# KiCad board CawDrive_panel.kicad_pcb (continued)
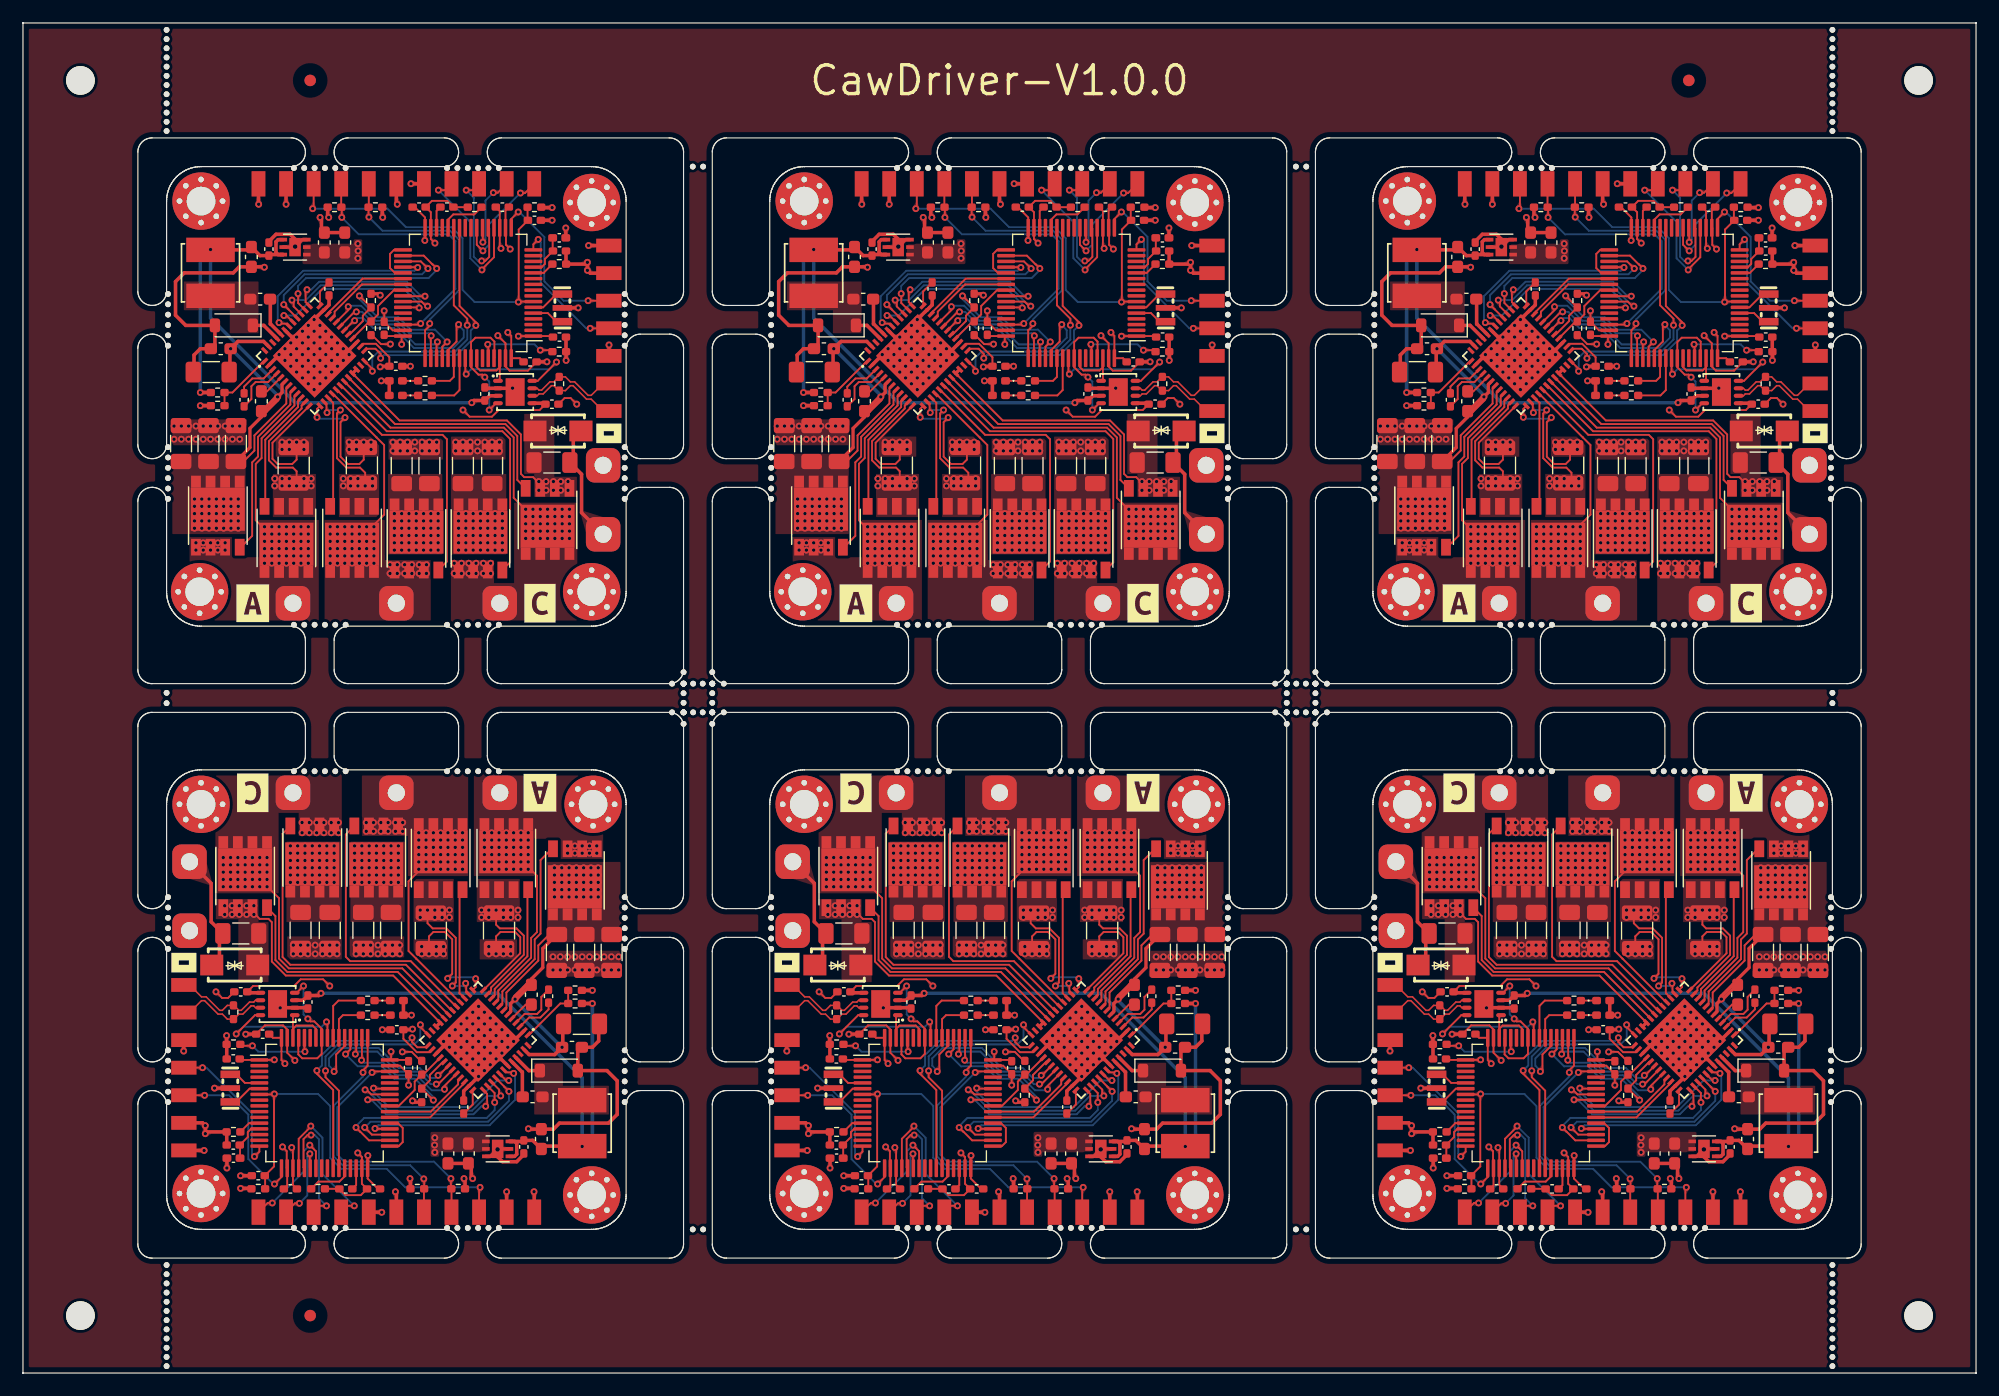
[diagram p0: board, top side]
## Nets (continued)
Board_3-/ADC1_IN8: U1.26 U5#5.25
Board_3-/ADC1_IN9: U1.27 U5#5.24
Board_3-/CAN_N: J4#2.7 R8#2.1 U3#5.6
Board_3-/CAN_P: J4#2.6 R8#2.2 U3#5.7
Board_3-/CAN_RX: U1.57 U1.61 U3#5.4
Board_3-/CAN_STB: U1.56 U3#5.8
Board_3-/CAN_TX: U1.58 U1.62 U3#5.1
Board_3-/DRV8323RSRGZR/CB: C15#5.1 U5#5.44
Board_3-/DRV8323RSRGZR/FB: R13#4.2 R14#6.1 U5#5.1
Board_3-/DRV8323RSRGZR/GHA: Q7#6.4 U5#5.8
Board_3-/DRV8323RSRGZR/GHB: Q9.4 U5#5.17
Board_3-/DRV8323RSRGZR/GHC: Q11#5.4 U5#5.18
Board_3-/DRV8323RSRGZR/GLA: Q8#5.4 U5#5.10
Board_3-/DRV8323RSRGZR/GLB: Q10#4.4 U5#5.15
Board_3-/DRV8323RSRGZR/GLC: Q12#3.4 U5#5.20
Board_3-/DRV8323RSRGZR/PHASA: H5#5.1 Q7#6.1 Q7#6.2 Q7#6.3 Q8#5.5 Q8#5.6 Q8#5.7 Q8#5.8 Q8#5.9 U5#5.9
Board_3-/DRV8323RSRGZR/PHASB: H6#5.1 Q9.1 Q9.2 Q9.3 Q10#4.5 Q10#4.6 Q10#4.7 Q10#4.8 Q10#4.9 U5#5.16
Board_3-/DRV8323RSRGZR/PHASC: H7#6.1 Q11#5.1 Q11#5.2 Q11#5.3 Q12#3.5 Q12#3.6 Q12#3.7 Q12#3.8 Q12#3.9 U5#5.19
Board_3-/DRV8323RSRGZR/SPA: Q8#5.1 Q8#5.2 Q8#5.3 R18#4.1 U5#5.11
Board_3-/DRV8323RSRGZR/SPB: Q10#4.1 Q10#4.2 Q10#4.3 R19.1 U5#5.14
Board_3-/DRV8323RSRGZR/SW: C15#5.2 D3.1 L2#3.1 U5#5.45
Board_3-/DRV_CAL: U1.38 U5#5.34
Board_3-/DRV_ENABLE: U1.39 U5#5.33
Board_3-/DRV_FAULT: R17#4.2 U1.40 U5#5.28
Board_3-/DRV_STA: R11#3.2 U1.55
Board_3-/HSE_IN: U1.5 X1#4.1
Board_3-/HSE_OUT: U1.6 X1#4.3
Board_3-/MCU_STA: R9#5.2 U1.54
Board_3-/RESET: C14#6.1 J1#5.3 R10#6.2 U1.7
Board_3-/SPI1_MISO: J1#5.10 U1.22
Board_3-/SPI1_MOSI: J1#5.11 U1.23
Board_3-/SPI1_NSS: J1#5.8 U1.20
Board_3-/SPI1_SCK: J1#5.9 U1.21
Board_3-/SPI3_MISO: R16#4.2 U1.52 U5#5.29
Board_3-/SPI3_MOSI: U1.53 U5#5.30
Board_3-/SPI3_NSS: U1.50 U5#5.32
Board_3-/SPI3_SCK: U1.51 U5#5.31
Board_3-/SWCLK: J1#5.5 R6#4.1 U1.49
Board_3-/SWDIO: J1#5.4 R5#2.1 U1.46
Board_3-/TIM1_BKIN: U1.33 U1.37
Board_3-/TIM1_PWM_CH1: U1.41 U5#5.37
Board_3-/TIM1_PWM_CH1N: U1.34 U5#5.38
Board_3-/TIM1_PWM_CH2: U1.42 U5#5.39
Board_3-/TIM1_PWM_CH2N: U1.35 U5#5.40
Board_3-/TIM1_PWM_CH3: U1.43 U5#5.41
Board_3-/TIM1_PWM_CH3N: U1.36 U5#5.42
Board_3-/USART2_RX: J4#2.3 U1.17
Board_3-/USART2_TX: J4#2.4 U1.16
Board_3-GND: C1#4.2 C2#3.2 C3#5.2 C4#2.2 C5#6.2 C6#6.2 C7#6.2 C8#4.2 C9#2.1 C12#6.1 C14#6.2 C16#5.2 C20#4.2 C21#5.2 C22.2 C23#6.2 C24#6.2 C25.2 C26#3.2 C29#3.2 C30#4.2 C31#2.2 C32#5.2 C33#2.2 C34#3.2 C35#5.2 D3.2 H8#5.1 J1#5.2 J1#5.7 J4#2.2 J4#2.5 Q12#3.1 Q12#3.2 Q12#3.3 R1#4.1 R2#6.2 R3#5.2 R6#4.2 R14#6.2 R18#4.2 R19.2 TV1.2 U1.18 U1.31 U1.47 U1.63 U2#2.3 U2#2.5 U2#2.7 U3#5.2 U3#5.9 U5#5.2 U5#5.12 U5#5.13 U5#5.21 U5#5.22 U5#5.27 U5#5.35 U5#5.43 U5#5.49 X1#4.2
Board_3-Net-(D1-K): D1#3.1 R9#5.1
Board_3-Net-(D2-K): D2#3.1 R11#3.1
Board_3-Net-(U1-BOOT0): R1#4.2 U1.60
Board_3-Net-(U1-PB2): R3#5.1 U1.28
Board_3-Net-(U1-VCAP_1): C1#4.1 U1.30
Board_3-Net-(U1-VSSA): R2#6.1 U1.12
Board_3-Net-(U5-CPH): C27#2.2 U5#5.4
Board_3-Net-(U5-CPL): C27#2.1 U5#5.3
Board_3-Net-(U5-DVDD): C31#2.1 U5#5.36
Board_3-Net-(U5-VCP): C28.2 U5#5.5
Board_3-unconnected-(H1-Pad1): H1#2.1
Board_3-unconnected-(H2-Pad1): H2#2.1
Board_3-unconnected-(H3-Pad1): H3#3.1
Board_3-unconnected-(H4-Pad1): H4#2.1
Board_3-unconnected-(U1-PA0-Pad14): U1.14
Board_3-unconnected-(U1-PA1-Pad15): U1.15
Board_3-unconnected-(U1-PA11-Pad44): U1.44
Board_3-unconnected-(U1-PA12-Pad45): U1.45
Board_3-unconnected-(U1-PB7-Pad59): U1.59
Board_3-unconnected-(U1-PB10-Pad29): U1.29
Board_3-unconnected-(U1-PC0-Pad8): U1.8
Board_3-unconnected-(U1-PC1-Pad9): U1.9
Board_3-unconnected-(U1-PC2-Pad10): U1.10
Board_3-unconnected-(U1-PC3-Pad11): U1.11
Board_3-unconnected-(U1-PC4-Pad24): U1.24
Board_3-unconnected-(U1-PC5-Pad25): U1.25
Board_3-unconnected-(U1-PC13-Pad2): U1.2
Board_3-unconnected-(U1-PC14-Pad3): U1.3
Board_3-unconnected-(U1-PC15-Pad4): U1.4
Board_3-unconnected-(U5-NC-Pad46): U5#5.46
Board_3-unconnected-(U5-nSHDN-Pad48): U5#5.48
Board_3-unconnected-(U5-SOC-Pad23): U5#5.23
Board_4-+3.3V: C2#6.1 C3#4.1 C4#6.1 C5.1 C6#3.1 C9#3.2 C32#4.1 C34#5.1 C35.1 D1#4.2 D2#4.2 J1#3.1 J1#3.6 J4#4.1 L1#4.1 R5.2 R10#5.1 R16#2.1 R17#2.1 U1#6.1 U1#6.19 U1#6.32 U1#6.48 U1#6.64 U2.1 U2.2 U3#6.5 U5.26
Board_4-+3.3VA: C8#2.1 L1#4.2 U1#6.13
Board_4-+5V: C7#2.1 C12#4.2 C16#3.1 L2#5.2 R13.1 U2.4 U2.6 U3#6.3
Board_4-+36V: C20#6.1 C21#2.1 C22#4.1 C23.1 C24#4.1 C25#5.1 C26#4.1 C28#4.1 C29.1 C30#3.1 C33#4.1 H9#3.1 Q7#4.5 Q7#4.6 Q7#4.7 Q7#4.8 Q7#4.9 Q9#2.5 Q9#2.6 Q9#2.7 Q9#2.8 Q9#2.9 Q11#3.5 Q11#3.6 Q11#3.7 Q11#3.8 Q11#3.9 TV1#2.1 U5.6 U5.7 U5.47
Board_4-/ADC1_IN8: U1#6.26 U5.25
Board_4-/ADC1_IN9: U1#6.27 U5.24
Board_4-/CAN_N: J4#4.7 R8#6.1 U3#6.6
Board_4-/CAN_P: J4#4.6 R8#6.2 U3#6.7
Board_4-/CAN_RX: U1#6.57 U1#6.61 U3#6.4
Board_4-/CAN_STB: U1#6.56 U3#6.8
Board_4-/CAN_TX: U1#6.58 U1#6.62 U3#6.1
Board_4-/DRV8323RSRGZR/CB: C15.1 U5.44
Board_4-/DRV8323RSRGZR/FB: R13.2 R14#2.1 U5.1
Board_4-/DRV8323RSRGZR/GHA: Q7#4.4 U5.8
Board_4-/DRV8323RSRGZR/GHB: Q9#2.4 U5.17
Board_4-/DRV8323RSRGZR/GHC: Q11#3.4 U5.18
Board_4-/DRV8323RSRGZR/GLA: Q8.4 U5.10
Board_4-/DRV8323RSRGZR/GLB: Q10#6.4 U5.15
Board_4-/DRV8323RSRGZR/GLC: Q12.4 U5.20
Board_4-/DRV8323RSRGZR/PHASA: H5#6.1 Q7#4.1 Q7#4.2 Q7#4.3 Q8.5 Q8.6 Q8.7 Q8.8 Q8.9 U5.9
Board_4-/DRV8323RSRGZR/PHASB: H6.1 Q9#2.1 Q9#2.2 Q9#2.3 Q10#6.5 Q10#6.6 Q10#6.7 Q10#6.8 Q10#6.9 U5.16
Board_4-/DRV8323RSRGZR/PHASC: H7#3.1 Q11#3.1 Q11#3.2 Q11#3.3 Q12.5 Q12.6 Q12.7 Q12.8 Q12.9 U5.19
Board_4-/DRV8323RSRGZR/SPA: Q8.1 Q8.2 Q8.3 R18#3.1 U5.11
Board_4-/DRV8323RSRGZR/SPB: Q10#6.1 Q10#6.2 Q10#6.3 R19#6.1 U5.14
Board_4-/DRV8323RSRGZR/SW: C15.2 D3#2.1 L2#5.1 U5.45
Board_4-/DRV_CAL: U1#6.38 U5.34
Board_4-/DRV_ENABLE: U1#6.39 U5.33
Board_4-/DRV_FAULT: R17#2.2 U1#6.40 U5.28
Board_4-/DRV_STA: R11#2.2 U1#6.55
Board_4-/HSE_IN: U1#6.5 X1#6.1
Board_4-/HSE_OUT: U1#6.6 X1#6.3
Board_4-/MCU_STA: R9#3.2 U1#6.54
Board_4-/RESET: C14#3.1 J1#3.3 R10#5.2 U1#6.7
Board_4-/SPI1_MISO: J1#3.10 U1#6.22
Board_4-/SPI1_MOSI: J1#3.11 U1#6.23
Board_4-/SPI1_NSS: J1#3.8 U1#6.20
Board_4-/SPI1_SCK: J1#3.9 U1#6.21
Board_4-/SPI3_MISO: R16#2.2 U1#6.52 U5.29
Board_4-/SPI3_MOSI: U1#6.53 U5.30
Board_4-/SPI3_NSS: U1#6.50 U5.32
Board_4-/SPI3_SCK: U1#6.51 U5.31
Board_4-/SWCLK: J1#3.5 R6.1 U1#6.49
Board_4-/SWDIO: J1#3.4 R5.1 U1#6.46
Board_4-/TIM1_BKIN: U1#6.33 U1#6.37
Board_4-/TIM1_PWM_CH1: U1#6.41 U5.37
Board_4-/TIM1_PWM_CH1N: U1#6.34 U5.38
Board_4-/TIM1_PWM_CH2: U1#6.42 U5.39
Board_4-/TIM1_PWM_CH2N: U1#6.35 U5.40
Board_4-/TIM1_PWM_CH3: U1#6.43 U5.41
Board_4-/TIM1_PWM_CH3N: U1#6.36 U5.42
Board_4-/USART2_RX: J4#4.3 U1#6.17
Board_4-/USART2_TX: J4#4.4 U1#6.16
Board_4-GND: C1#2.2 C2#6.2 C3#4.2 C4#6.2 C5.2 C6#3.2 C7#2.2 C8#2.2 C9#3.1 C12#4.1 C14#3.2 C16#3.2 C20#6.2 C21#2.2 C22#4.2 C23.2 C24#4.2 C25#5.2 C26#4.2 C29.2 C30#3.2 C31.2 C32#4.2 C33#4.2 C34#5.2 C35.2 D3#2.2 H8#6.1 J1#3.2 J1#3.7 J4#4.2 J4#4.5 Q12.1 Q12.2 Q12.3 R1.1 R2#4.2 R3#3.2 R6.2 R14#2.2 R18#3.2 R19#6.2 TV1#2.2 U1#6.18 U1#6.31 U1#6.47 U1#6.63 U2.3 U2.5 U2.7 U3#6.2 U3#6.9 U5.2 U5.12 U5.13 U5.21 U5.22 U5.27 U5.35 U5.43 U5.49 X1#6.2
Board_4-Net-(D1-K): D1#4.1 R9#3.1
Board_4-Net-(D2-K): D2#4.1 R11#2.1
Board_4-Net-(U1-BOOT0): R1.2 U1#6.60
Board_4-Net-(U1-PB2): R3#3.1 U1#6.28
Board_4-Net-(U1-VCAP_1): C1#2.1 U1#6.30
Board_4-Net-(U1-VSSA): R2#4.1 U1#6.12
Board_4-Net-(U5-CPH): C27.2 U5.4
Board_4-Net-(U5-CPL): C27.1 U5.3
Board_4-Net-(U5-DVDD): C31.1 U5.36
Board_4-Net-(U5-VCP): C28#4.2 U5.5
Board_4-unconnected-(H1-Pad1): H1#3.1
Board_4-unconnected-(H2-Pad1): H2#5.1
Board_4-unconnected-(H3-Pad1): H3.1
Board_4-unconnected-(H4-Pad1): H4.1
Board_4-unconnected-(U1-PA0-Pad14): U1#6.14
Board_4-unconnected-(U1-PA1-Pad15): U1#6.15
Board_4-unconnected-(U1-PA11-Pad44): U1#6.44
Board_4-unconnected-(U1-PA12-Pad45): U1#6.45
Board_4-unconnected-(U1-PB7-Pad59): U1#6.59
Board_4-unconnected-(U1-PB10-Pad29): U1#6.29
Board_4-unconnected-(U1-PC0-Pad8): U1#6.8
Board_4-unconnected-(U1-PC1-Pad9): U1#6.9
Board_4-unconnected-(U1-PC2-Pad10): U1#6.10
Board_4-unconnected-(U1-PC3-Pad11): U1#6.11
Board_4-unconnected-(U1-PC4-Pad24): U1#6.24
Board_4-unconnected-(U1-PC5-Pad25): U1#6.25
Board_4-unconnected-(U1-PC13-Pad2): U1#6.2
Board_4-unconnected-(U1-PC14-Pad3): U1#6.3
Board_4-unconnected-(U1-PC15-Pad4): U1#6.4
Board_4-unconnected-(U5-NC-Pad46): U5.46
Board_4-unconnected-(U5-nSHDN-Pad48): U5.48
Board_4-unconnected-(U5-SOC-Pad23): U5.23
Board_5-+3.3V: C2#2.1 C3#2.1 C4#4.1 C5#4.1 C6#2.1 C9#6.2 C32#6.1 C34#4.1 C35#2.1 D1#6.2 D2#6.2 J1.1 J1.6 J4#6.1 L1#2.1 R5#5.2 R10#4.1 R16.1 R17#5.1 U1#5.1 U1#5.19 U1#5.32 U1#5.48 U1#5.64 U2#4.1 U2#4.2 U3.5 U5#4.26
Board_5-+3.3VA: C8#6.1 L1#2.2 U1#5.13
Board_5-+5V: C7#4.1 C12.2 C16#2.1 L2#4.2 R13#3.1 U2#4.4 U2#4.6 U3.3
Board_5-+36V: C20.1 C21#3.1 C22#3.1 C23#3.1 C24#2.1 C25#4.1 C26#5.1 C28#3.1 C29#2.1 C30#2.1 C33#6.1 H9#2.1 Q7#2.5 Q7#2.6 Q7#2.7 Q7#2.8 Q7#2.9 Q9#6.5 Q9#6.6 Q9#6.7 Q9#6.8 Q9#6.9 Q11#2.5 Q11#2.6 Q11#2.7 Q11#2.8 Q11#2.9 TV1#3.1 U5#4.6 U5#4.7 U5#4.47
Board_5-/ADC1_IN8: U1#5.26 U5#4.25
Board_5-/ADC1_IN9: U1#5.27 U5#4.24
Board_5-/CAN_N: J4#6.7 R8#4.1 U3.6
Board_5-/CAN_P: J4#6.6 R8#4.2 U3.7
Board_5-/CAN_RX: U1#5.57 U1#5.61 U3.4
Board_5-/CAN_STB: U1#5.56 U3.8
Board_5-/CAN_TX: U1#5.58 U1#5.62 U3.1
Board_5-/DRV8323RSRGZR/CB: C15#4.1 U5#4.44
Board_5-/DRV8323RSRGZR/FB: R13#3.2 R14#3.1 U5#4.1
Board_5-/DRV8323RSRGZR/GHA: Q7#2.4 U5#4.8
Board_5-/DRV8323RSRGZR/GHB: Q9#6.4 U5#4.17
Board_5-/DRV8323RSRGZR/GHC: Q11#2.4 U5#4.18
Board_5-/DRV8323RSRGZR/GLA: Q8#2.4 U5#4.10
Board_5-/DRV8323RSRGZR/GLB: Q10#2.4 U5#4.15
Board_5-/DRV8323RSRGZR/GLC: Q12#2.4 U5#4.20
Board_5-/DRV8323RSRGZR/PHASA: H5#4.1 Q7#2.1 Q7#2.2 Q7#2.3 Q8#2.5 Q8#2.6 Q8#2.7 Q8#2.8 Q8#2.9 U5#4.9
Board_5-/DRV8323RSRGZR/PHASB: H6#3.1 Q9#6.1 Q9#6.2 Q9#6.3 Q10#2.5 Q10#2.6 Q10#2.7 Q10#2.8 Q10#2.9 U5#4.16
Board_5-/DRV8323RSRGZR/PHASC: H7#4.1 Q11#2.1 Q11#2.2 Q11#2.3 Q12#2.5 Q12#2.6 Q12#2.7 Q12#2.8 Q12#2.9 U5#4.19
Board_5-/DRV8323RSRGZR/SPA: Q8#2.1 Q8#2.2 Q8#2.3 R18#2.1 U5#4.11
Board_5-/DRV8323RSRGZR/SPB: Q10#2.1 Q10#2.2 Q10#2.3 R19#5.1 U5#4.14
Board_5-/DRV8323RSRGZR/SW: C15#4.2 D3#3.1 L2#4.1 U5#4.45
Board_5-/DRV_CAL: U1#5.38 U5#4.34
Board_5-/DRV_ENABLE: U1#5.39 U5#4.33
Board_5-/DRV_FAULT: R17#5.2 U1#5.40 U5#4.28
Board_5-/DRV_STA: R11#4.2 U1#5.55
Board_5-/HSE_IN: U1#5.5 X1#2.1
Board_5-/HSE_OUT: U1#5.6 X1#2.3
Board_5-/MCU_STA: R9#4.2 U1#5.54
Board_5-/RESET: C14#5.1 J1.3 R10#4.2 U1#5.7
Board_5-/SPI1_MISO: J1.10 U1#5.22
Board_5-/SPI1_MOSI: J1.11 U1#5.23
Board_5-/SPI1_NSS: J1.8 U1#5.20
Board_5-/SPI1_SCK: J1.9 U1#5.21
Board_5-/SPI3_MISO: R16.2 U1#5.52 U5#4.29
Board_5-/SPI3_MOSI: U1#5.53 U5#4.30
Board_5-/SPI3_NSS: U1#5.50 U5#4.32
Board_5-/SPI3_SCK: U1#5.51 U5#4.31
Board_5-/SWCLK: J1.5 R6#3.1 U1#5.49
Board_5-/SWDIO: J1.4 R5#5.1 U1#5.46
Board_5-/TIM1_BKIN: U1#5.33 U1#5.37
Board_5-/TIM1_PWM_CH1: U1#5.41 U5#4.37
Board_5-/TIM1_PWM_CH1N: U1#5.34 U5#4.38
Board_5-/TIM1_PWM_CH2: U1#5.42 U5#4.39
Board_5-/TIM1_PWM_CH2N: U1#5.35 U5#4.40
Board_5-/TIM1_PWM_CH3: U1#5.43 U5#4.41
Board_5-/TIM1_PWM_CH3N: U1#5.36 U5#4.42
Board_5-/USART2_RX: J4#6.3 U1#5.17
Board_5-/USART2_TX: J4#6.4 U1#5.16
Board_5-GND: C1#3.2 C2#2.2 C3#2.2 C4#4.2 C5#4.2 C6#2.2 C7#4.2 C8#6.2 C9#6.1 C12.1 C14#5.2 C16#2.2 C20.2 C21#3.2 C22#3.2 C23#3.2 C24#2.2 C25#4.2 C26#5.2 C29#2.2 C30#2.2 C31#6.2 C32#6.2 C33#6.2 C34#4.2 C35#2.2 D3#3.2 H8.1 J1.2 J1.7 J4#6.2 J4#6.5 Q12#2.1 Q12#2.2 Q12#2.3 R1#6.1 R2#3.2 R3#6.2 R6#3.2 R14#3.2 R18#2.2 R19#5.2 TV1#3.2 U1#5.18 U1#5.31 U1#5.47 U1#5.63 U2#4.3 U2#4.5 U2#4.7 U3.2 U3.9 U5#4.2 U5#4.12 U5#4.13 U5#4.21 U5#4.22 U5#4.27 U5#4.35 U5#4.43 U5#4.49 X1#2.2
Board_5-Net-(D1-K): D1#6.1 R9#4.1
Board_5-Net-(D2-K): D2#6.1 R11#4.1
Board_5-Net-(U1-BOOT0): R1#6.2 U1#5.60
Board_5-Net-(U1-PB2): R3#6.1 U1#5.28
Board_5-Net-(U1-VCAP_1): C1#3.1 U1#5.30
Board_5-Net-(U1-VSSA): R2#3.1 U1#5.12
Board_5-Net-(U5-CPH): C27#6.2 U5#4.4
Board_5-Net-(U5-CPL): C27#6.1 U5#4.3
Board_5-Net-(U5-DVDD): C31#6.1 U5#4.36
Board_5-Net-(U5-VCP): C28#3.2 U5#4.5
Board_5-unconnected-(H1-Pad1): H1#5.1
Board_5-unconnected-(H2-Pad1): H2.1
Board_5-unconnected-(H3-Pad1): H3#2.1
Board_5-unconnected-(H4-Pad1): H4#5.1
Board_5-unconnected-(U1-PA0-Pad14): U1#5.14
Board_5-unconnected-(U1-PA1-Pad15): U1#5.15
Board_5-unconnected-(U1-PA11-Pad44): U1#5.44
Board_5-unconnected-(U1-PA12-Pad45): U1#5.45
Board_5-unconnected-(U1-PB7-Pad59): U1#5.59
Board_5-unconnected-(U1-PB10-Pad29): U1#5.29
Board_5-unconnected-(U1-PC0-Pad8): U1#5.8
Board_5-unconnected-(U1-PC1-Pad9): U1#5.9
Board_5-unconnected-(U1-PC2-Pad10): U1#5.10
Board_5-unconnected-(U1-PC3-Pad11): U1#5.11
Board_5-unconnected-(U1-PC4-Pad24): U1#5.24
Board_5-unconnected-(U1-PC5-Pad25): U1#5.25
Board_5-unconnected-(U1-PC13-Pad2): U1#5.2
Board_5-unconnected-(U1-PC14-Pad3): U1#5.3
Board_5-unconnected-(U1-PC15-Pad4): U1#5.4
Board_5-unconnected-(U5-NC-Pad46): U5#4.46
Board_5-unconnected-(U5-nSHDN-Pad48): U5#4.48
Board_5-unconnected-(U5-SOC-Pad23): U5#4.23

## Via types
v1: diameter 0.6, hole 0.3, Top to Bottom, 3054 vias
v2: diameter 0.8, hole 0.4, Top to Bottom, 6 vias

## Routing (per net, layer and track width the routed paths; a pad name or vN(x,y) marks a point on that pad's centre or on a via; arc(x,y) is an arc through that point)
Board_0-+3.3V: length 43
  Top w0.16: C32#3.1 31.89,88.41 30.72,89.58 29.62,89.58 U5#2.26 ; C9#5.2 44.97,83.81 41.4,83.81 40.82,83.23 38.88,83.23 v1(38.3,83.81) ; v1(34.98,98.57) 35,98.59 U1#3.32 35,100.57 34.09,101.48 C4#5.1 ; C6.1 43.25,88.33 U1#3.64 42.5,90.27 v1(42.2,90.57) ; C5#5.1 31.55,90.25 U1#3.48 32.96,90.14 v1(32.96,89.53) ; v1(41.61,97.88) 41.5,97.99 U1#3.19 41.5,101.13 C3.1 ; C2.1 46.04,90.25 U1#3.1 43.13,90.25 v1(43.12,90.24) ; v1(31.98,89.55) 31.16,89.55 30.38,90.33 R17.1
  Top w0.279: C32#3.1 31.14,87.62 v1(31.09,87.57) ; v1(31.1,93.81) 30.97,93.94 R16#3.1
  Top w0.305: v1(20.52,101.72) 20.5,101.74 J1#6.1 ; U3#2.5 45.39,84.4 C9#5.2 ; R10#2.1 45.15,101.43 v1(46.06,101.43) ; v1(49.23,98.13) 49.23,98.13 J4#3.1 ; D1#2.2 D2#5.2 ; R5#3.2 26.52,100.67 v1(26.61,100.58) ; v1(31.18,86.35) 31.93,86.35 ; J1#6.6 32.5,101.8 v1(32.58,101.72) ; L1#3.1 v1(47.25,99.66)
  vias: v1(29.15,98.29) v1(29.17,97.66) v1(29.15,97.02)
Board_0-+3.3VA: length 3.7
  Top w0.16: L1#3.2 46.11,97.68 C8#3.1 45.43,96.96 45.43,96.53 45.15,96.25 U1#3.13
Board_0-+5V: length 57.2
  Top w0.305: v1(39.06,84.45) 39.25,84.64 C12#3.2 40.61,85.05 U3#2.3 ; R13#5.1 v1(15.44,85.34) ; U2#3.4 22.21,98.64 22.02,98.46 22.02,97.53 22.21,97.34 U2#3.6 21.49,97.34 21.41,97.25 20.63,97.25 C16#4.1 19.63,97.75 L2#6.2 v1(16.33,97.78)
  Bottom w0.305: v1(39.06,84.45) 23.69,84.45 16.33,91.81 v1(16.33,97.78) 15.44,96.9 v1(15.44,85.34)
Board_0-+36V: length 42.7
  Top w0.16: 18.53,78.95 19.2,78.95 ; C20#2.1 19.19,79.33 20.15,80.29 20.15,81.61 22.92,84.38 22.92,85.7 U5#2.7
  Top w0.279: U5#2.6 22.55,86.04 22.55,85.34 v1(22.17,84.96) 22.04,84.96 20.8,83.71 C28#6.1 20.75,83.21 19.75,82.21 19.75,80.55 C20#2.1
  Top w0.305: 20.8,83.71 21.18,83.71 22.17,84.7 v1(22.17,84.96) ; 18.01,87.12 18.01,89.09 v1(18.08,89.15) 18.71,89.78 20.95,89.78 U5#2.47 ; H9#4.1 48.62,74.88 48.62,78.23 C29#4.1 47.9,79.54 47.9,81.32 TV1#6.1
  Bottom w0.305: v1(22.17,84.96) 22.17,85.08 18.1,89.15 v1(18.08,89.15)
  vias: v1(14.93,76.07) v1(14.93,75.43) v1(14.93,74.8) v1(14.93,74.16) v1(14.93,73.53) v1(15.56,76.07) v1(15.56,75.43) v1(15.56,74.8) v1(15.56,74.16) v1(15.56,73.53) v1(16.2,76.07) v1(16.2,75.43) v1(16.2,74.8) v1(16.2,74.16) v1(16.2,73.53) v1(16.83,76.07) v1(16.83,75.43) v1(16.83,74.8) v1(16.83,74.16) v1(16.83,73.53) v1(17.47,76.07) v1(17.47,75.43) v1(17.47,74.8) v1(17.47,74.16) v1(17.47,73.53) v1(18.1,76.07) v1(18.1,75.43) v1(18.1,74.8) v1(18.1,74.16) v1(18.1,73.53) v1(18.74,76.07) v1(18.74,75.43) v1(18.74,74.8) v1(18.74,74.16) v1(18.74,73.53) v1(32.33,74.8) v1(32.33,74.16) v1(32.33,73.53) v1(32.33,72.89) v1(32.33,72.26) v1(32.33,71.62) v1(32.96,74.8) v1(32.96,74.16) v1(32.96,73.53) v1(32.96,72.89) v1(32.96,72.26) v1(32.96,71.62) v1(33.6,74.8) v1(33.6,74.16) v1(33.6,73.53) v1(33.6,72.89) v1(33.6,72.26) v1(33.6,71.62) v1(34.23,74.8) v1(34.23,74.16) v1(34.23,73.53) v1(34.23,72.89) v1(34.23,72.26) v1(34.23,71.62) v1(34.87,74.8) v1(34.87,74.16) v1(34.87,73.53) v1(34.87,72.89) v1(34.87,72.26) v1(34.87,71.62) v1(35.5,74.8) v1(35.5,74.16) v1(35.5,73.53) v1(35.5,72.89) v1(35.5,72.26) v1(35.5,71.62) v1(36.14,74.8) v1(36.14,74.16) v1(36.14,73.53) v1(36.14,72.89) v1(36.14,72.26) v1(36.14,71.62) v1(37.92,74.8) v1(37.92,74.16) v1(37.92,73.53) v1(37.92,72.89) v1(37.92,72.26) v1(37.92,71.62) v1(38.55,74.8) v1(38.55,74.16) v1(38.55,73.53) v1(38.55,72.89) v1(38.55,72.26) v1(38.55,71.62) v1(39.19,74.8) v1(39.19,74.16) v1(39.19,73.53) v1(39.19,72.89) v1(39.19,72.26) v1(39.19,71.62) v1(39.82,74.8) v1(39.82,74.16) v1(39.82,73.53) v1(39.82,72.89) v1(39.82,72.26) v1(39.82,71.62) v1(40.45,74.8) v1(40.45,74.16) v1(40.45,73.53) v1(40.45,72.89) v1(40.45,72.26) v1(40.45,71.62) v1(41.09,74.8) v1(41.09,74.16) v1(41.09,73.53) v1(41.09,72.89) v1(41.09,72.26) v1(41.09,71.62) v1(41.72,74.8) v1(41.72,74.16) v1(41.72,73.53) v1(41.72,72.89) v1(41.72,72.26) v1(41.72,71.62)
Board_0-/ADC1_IN8: length 21.1
  Top w0.16: U5#2.25 29.9,89.15 30.68,89.15 31.13,88.69 v1(31.13,88.32) ; U1#3.26 38,92.87 39.42,91.45 v1(39.42,91.18)
  Bottom w0.16: v1(39.42,91.18) 38.98,90.74 38.98,89.82 37.75,88.59 31.4,88.59 v1(31.13,88.32)
Board_0-/ADC1_IN9: length 21.5
  Top w0.16: v1(38.67,91.2) 38.67,91.76 37.5,92.93 U1#3.27 ; v1(30.41,87.19) 30.41,87.39 U5#2.24
  Bottom w0.16: v1(30.41,87.19) 30.41,88.37 30.94,88.9 37.62,88.9 38.67,89.95 v1(38.67,91.2)
Board_0-/CAN_N: length 8.3
  Top w0.129: J4#3.7 50.5,83.73 49.46,84.76 49.05,84.76 47.88,85.93 47.65,85.93 47.21,85.5 R8#3.1 46.64,85.5 46.21,85.93 46,85.93 45.28,85.21 44.91,85.21 44.75,85.05 U3#2.6
Board_0-/CAN_P: length 8.3
  Top w0.129: J4#3.6 50.5,86.13 49.46,85.09 49.19,85.09 48.02,86.27 47.65,86.27 47.21,86.7 R8#3.2 46.64,86.7 46.21,86.27 45.86,86.27 45.14,85.55 44.91,85.55 44.75,85.7 U3#2.7
Board_0-/CAN_RX: length 11.6
  Top w0.16: v1(40.58,83.81) 41.17,84.4 U3#2.4 ; U1#3.61 41.04,88.36 41.04,89.77 40.7,90.11 39.38,90.11 39,89.72 U1#3.57 39,87.54 39.64,86.89 39.98,86.89 v1(40.2,86.67)
  Bottom w0.16: v1(40.2,86.67) 40.58,86.29 v1(40.58,83.81)
Board_0-/CAN_STB: length 12.5
  Top w0.16: v1(46.44,87.99) 44.8,86.35 U3#2.8 ; U1#3.56 38.5,87.02 v1(38.58,86.94)
  Bottom w0.16: v1(38.58,86.94) 39,87.36 45.81,87.36 v1(46.44,87.99)
Board_0-/CAN_TX: length 5.8
  Top w0.16: U1#3.58 39.5,87.55 39.79,87.25 41.21,87.25 41.5,87.55 U1#3.62 41.5,86.51 U3#2.1
Board_0-/DRV8323RSRGZR/CB: length 3.5
  Top w0.305: C15#6.1 21.53,93.44 21.53,91.31 21.55,91.31 U5#2.44
Board_0-/DRV8323RSRGZR/FB: length 5.8
  Top w0.16: U5#2.1 20.95,88.06 18.23,85.34 R13#5.2 R14#4.1
Board_0-/DRV8323RSRGZR/GHA: length 15.7
  Top w0.16: Q7#3.4 18.97,71.88 19.95,72.86 19.95,79.26 20.46,79.77 20.46,81.48 23.27,84.29 23.27,85.35 U5#2.8
Board_0-/DRV8323RSRGZR/GHB: length 23.1
  Top w0.16: Q9#4.4 36.9,70.63 36.9,81.27 36.52,81.66 31.24,81.66 27.31,85.59 U5#2.17
Board_0-/DRV8323RSRGZR/GHC: length 28.4
  Top w0.16: Q11#4.4 42.4,70.57 42.4,81.3 41.73,81.97 31.67,81.97 27.69,85.94 U5#2.18
Board_0-/DRV8323RSRGZR/GLA: length 10.8
  Top w0.16: U5#2.10 23.94,84.6 23.94,84.08 21.09,81.23 21.09,75.5 Q8#6.4
Board_0-/DRV8323RSRGZR/GLB: length 9.7
  Top w0.16: U5#2.15 27,84.44 27,75.69 Q10#3.4
Board_0-/DRV8323RSRGZR/GLC: length 21.7
  Top w0.16: Q12#5.4 43.03,77.73 43.03,81.56 41.99,82.59 32.38,82.59 U5#2.20
Board_0-/DRV8323RSRGZR/PHASA: length 17.5
  Top w0.16: 22.8,71.81 v1(22.93,71.75) v1(22.93,71.11) 22.8,71.39 ; 20.95,73.65 v1(21.02,73.65) 21.02,73.59 21.59,73.02 v1(21.66,73.02) 21.66,72.95 22.22,72.38 v1(22.29,72.38) 22.29,72.31 22.48,72.13 v1(22.93,72.38) 23.06,72.13 ; U5#2.9 23.63,85 23.63,84.21 20.77,81.35 20.77,79.64 20.26,79.13 20.26,74.22 20.83,73.65
  vias: v1(15.06,72.26) v1(15.06,71.62) v1(15.69,72.26) v1(15.69,71.62) v1(16.33,72.26) v1(16.33,71.62) v1(16.96,72.26) v1(16.96,71.62) v1(17.59,72.26) v1(17.59,71.62) v1(21.02,73.02) v1(21.02,72.38) v1(21.02,71.75) v1(21.02,71.11) v1(21.02,70.48) v1(21.66,73.65) v1(21.66,72.38) v1(21.66,71.75) v1(21.66,71.11) v1(21.66,70.48) v1(22.29,73.65) v1(22.29,73.02) v1(22.29,71.75) v1(22.29,71.11) v1(22.29,70.48) v1(22.93,73.65) v1(22.93,73.02) v1(22.93,70.48) v1(23.56,73.65) v1(23.56,73.02) v1(23.56,72.38) v1(23.56,71.75) v1(23.56,71.11) v1(23.56,70.48) v1(24.2,73.65) v1(24.2,73.02) v1(24.2,72.38) v1(24.2,71.75) v1(24.2,71.11) v1(24.2,70.48) v1(24.83,73.65) v1(24.83,73.02) v1(24.83,72.38) v1(24.83,71.75) v1(24.83,71.11) v1(24.83,70.48)
Board_0-/DRV8323RSRGZR/PHASB: length 17.5
  Top w0.16: U5#2.16 26.97,85.23 30.77,81.43 30.77,81.43 31.44,80.77 31.44,74.71 30.55,73.82 v1(30.55,73.65) v1(29.91,73.65) v1(29.91,73.02) v1(29.28,73.02) v1(29.28,72.38) 29.12,72.38 28.86,72.13 v1(28.64,72.38) Q10#3.9
  vias: v1(26.74,73.65) v1(26.74,73.02) v1(26.74,72.38) v1(26.74,71.75) v1(26.74,71.11) v1(26.74,70.48) v1(27.37,73.65) v1(27.37,73.02) v1(27.37,72.38) v1(27.37,71.75) v1(27.37,71.11) v1(27.37,70.48) v1(28.01,73.65) v1(28.01,73.02) v1(28.01,72.38) v1(28.01,71.75) v1(28.01,71.11) v1(28.01,70.48) v1(28.64,73.65) v1(28.64,73.02) v1(28.64,71.75) v1(28.64,71.11) v1(28.64,70.48) v1(29.28,73.65) v1(29.28,71.75) v1(29.28,71.11) v1(29.28,70.48) v1(29.91,72.38) v1(29.91,71.75) v1(29.91,71.11) v1(29.91,70.48) v1(30.55,73.02) v1(30.55,72.38) v1(30.55,71.75) v1(30.55,71.11) v1(30.55,70.48) v1(31.95,70.35) v1(31.95,69.59) v1(32.58,70.35) v1(32.58,69.59) v1(33.22,70.35) v1(33.22,69.59) v1(33.85,70.35) v1(33.85,69.59) v1(34.49,70.35) v1(34.49,69.59) v1(35.12,70.35) v1(35.12,69.59)
Board_0-/DRV8323RSRGZR/PHASC: length 26.3
  Top w0.16: Q12#5.9 v1(45.66,73.91) 45.19,73.7 45.03,73.86 v1(45.03,73.91) 44.98,73.91 44.39,74.5 v1(44.39,74.54) 44.34,74.54 43.76,75.13 v1(43.76,75.18) 43.71,75.18 42.71,76.17 42.71,81.43 41.86,82.28 31.99,82.28 U5#2.19
  vias: v1(37.53,70.48) v1(37.53,69.59) v1(38.17,70.48) v1(38.17,69.59) v1(38.8,70.48) v1(38.8,69.59) v1(39.44,70.48) v1(39.44,69.59) v1(40.07,70.48) v1(40.07,69.59) v1(40.71,70.48) v1(40.71,69.59) v1(43.76,74.54) v1(43.76,73.91) v1(43.76,73.27) v1(43.76,72.64) v1(44.39,75.18) v1(44.39,73.91) v1(44.39,73.27) v1(44.39,72.64) v1(45.03,75.18) v1(45.03,74.54) v1(45.03,73.27) v1(45.03,72.64) v1(45.66,75.18) v1(45.66,74.54) v1(45.66,73.27) v1(45.66,72.64) v1(46.3,75.18) v1(46.3,74.54) v1(46.3,73.91) v1(46.3,73.27) v1(46.3,72.64) v1(46.93,75.18) v1(46.93,74.54) v1(46.93,73.91) v1(46.93,73.27) v1(46.93,72.64) v1(47.57,75.18) v1(47.57,74.54) v1(47.57,73.91) v1(47.57,73.27) v1(47.57,72.64)
Board_0-/DRV8323RSRGZR/SPA: length 11.2
  Top w0.16: U5#2.11 24.25,84.21 24.25,83.95 21.41,81.1 21.41,79.44 22.04,78.8 23.5,78.8 23.82,78.48 23.82,77.69 R18.1 v1(23.82,77.21) 23.56,77.59
  vias: v1(21.91,77.84) v1(21.91,77.21) v1(22.55,77.84) v1(22.55,77.21) v1(23.18,77.84) v1(23.18,77.21) v1(24.45,77.84) v1(24.45,77.21) v1(25.09,77.84) v1(25.09,77.21)
Board_0-/DRV8323RSRGZR/SPB: length 10.6
  Top w0.16: v1(26.47,83.58) 26.42,83.63 26.42,84.31 U5#2.14 ; v1(27.63,83.81) 27.33,83.51 27.33,79.62 28.15,78.8 29.34,78.8 29.79,78.35 29.79,77.74 R19#2.1
  Bottom w0.16: v1(26.47,83.58) 26.7,83.81 v1(27.63,83.81)
  vias: v1(27.88,77.84) v1(27.88,77.21) v1(28.52,77.84) v1(28.52,77.21) v1(29.15,77.84) v1(29.15,77.21) v1(29.79,77.21) v1(30.42,77.84) v1(30.42,77.21)
Board_0-/DRV8323RSRGZR/SW: length 2.6
  Top w0.305: U5#2.45 22.09,90.05 20.96,91.18 D3#6.1
Board_0-/DRV_CAL: length 7.8
  Top w0.16: U5#2.34 26.56,92.25 29.56,95.25 U1#3.38
Board_0-/DRV_ENABLE: length 7.6
  Top w0.16: U5#2.33 27.13,92.03 27.13,92.37 29.5,94.75 U1#3.39
Board_0-/DRV_FAULT: length 6.6
  Top w0.16: U1#3.40 32.29,94.25 30.91,92.87 30.91,92.13 R17.2 30.15,91.52 U5#2.28
Board_0-/DRV_STA: length 5.4
  Top w0.16: R11#6.2 37.53,85.08 38,85.55 U1#3.55
Board_0-/HSE_IN: length 2.8
  Top w0.16: X1.1 46.43,91.5 45.68,92.25 U1#3.5
Board_0-/HSE_OUT: length 3
  Top w0.16: X1.3 46.43,93.9 45.27,92.75 U1#3.6
Board_0-/MCU_STA: length 3.7
  Top w0.16: U1#3.54 37.5,86.7 37.15,86.35 R9#2.2
Board_0-/RESET: length 36
  Top w0.16: U1#3.7 43.16,93.25 v1(43.12,93.21) 43.15,93.24 43.15,99.52 C14.1 43.92,100.35 R10#2.2 ; v1(25.22,101.34) 25.3,101.42 J1#6.3
  Bottom w0.16: v1(25.22,101.34) 31.72,101.34 33.33,99.73 37.3,99.73 38.26,98.77 38.26,94.26 39.31,93.21 v1(43.12,93.21)
Board_0-/SPI1_MISO: length 7.4
  Top w0.16: v1(40.03,98.42) 40.03,99.64 U1#3.22 ; J1#6.10 41.33,102.73 v1(40.94,102.73)
  Bottom w0.16: v1(40.03,98.42) 40.25,98.64 40.25,102.04 v1(40.94,102.73)
Board_0-/SPI1_MOSI: length 10.1
  Top w0.16: U1#3.23 39.5,98.2 39.81,97.89 39.82,97.89 v1(40.04,97.67) ; J1#6.11 43.7,102.7 v1(43.3,102.7)
  Bottom w0.16: v1(43.3,102.7) 40.56,99.96 40.56,98.2 v1(40.04,97.67)
Board_0-/SPI1_NSS: length 14
  Top w0.16: U1#3.20 41,97.12 39.95,96.06 v1(39.95,96.01) ; v1(36.16,102.95) 36.75,102.95 J1#6.8
  Bottom w0.16: v1(39.95,96.01) 38.93,97.02 38.93,100.18 v1(36.16,102.95)
Board_0-/SPI1_SCK: length 11.6
  Top w0.16: U1#3.21 40.58,99.59 40.58,97.14 40.23,96.79 v1(39.92,96.79) ; v1(38.58,102.95) 39.15,102.95 J1#6.9
  Bottom w0.16: v1(38.58,102.95) 39.24,102.29 39.24,97.15 39.6,96.79 v1(39.92,96.79)
Board_0-/SPI3_MISO: length 15.7
  Top w0.16: U1#3.52 36.5,89.32 v1(36.92,89.74) ; U5#2.29 28.43,90.4 29.58,91.55 29.58,92.03 R16#3.2 29.29,93.75 v1(29.28,93.75)
  Bottom w0.16: v1(36.92,89.74) 35.86,90.81 33.76,90.81 32.68,91.89 30.86,91.89 29.28,93.47 v1(29.28,93.75)
